# KiCad board tinytapeout-demo.kicad_pcb (continued)
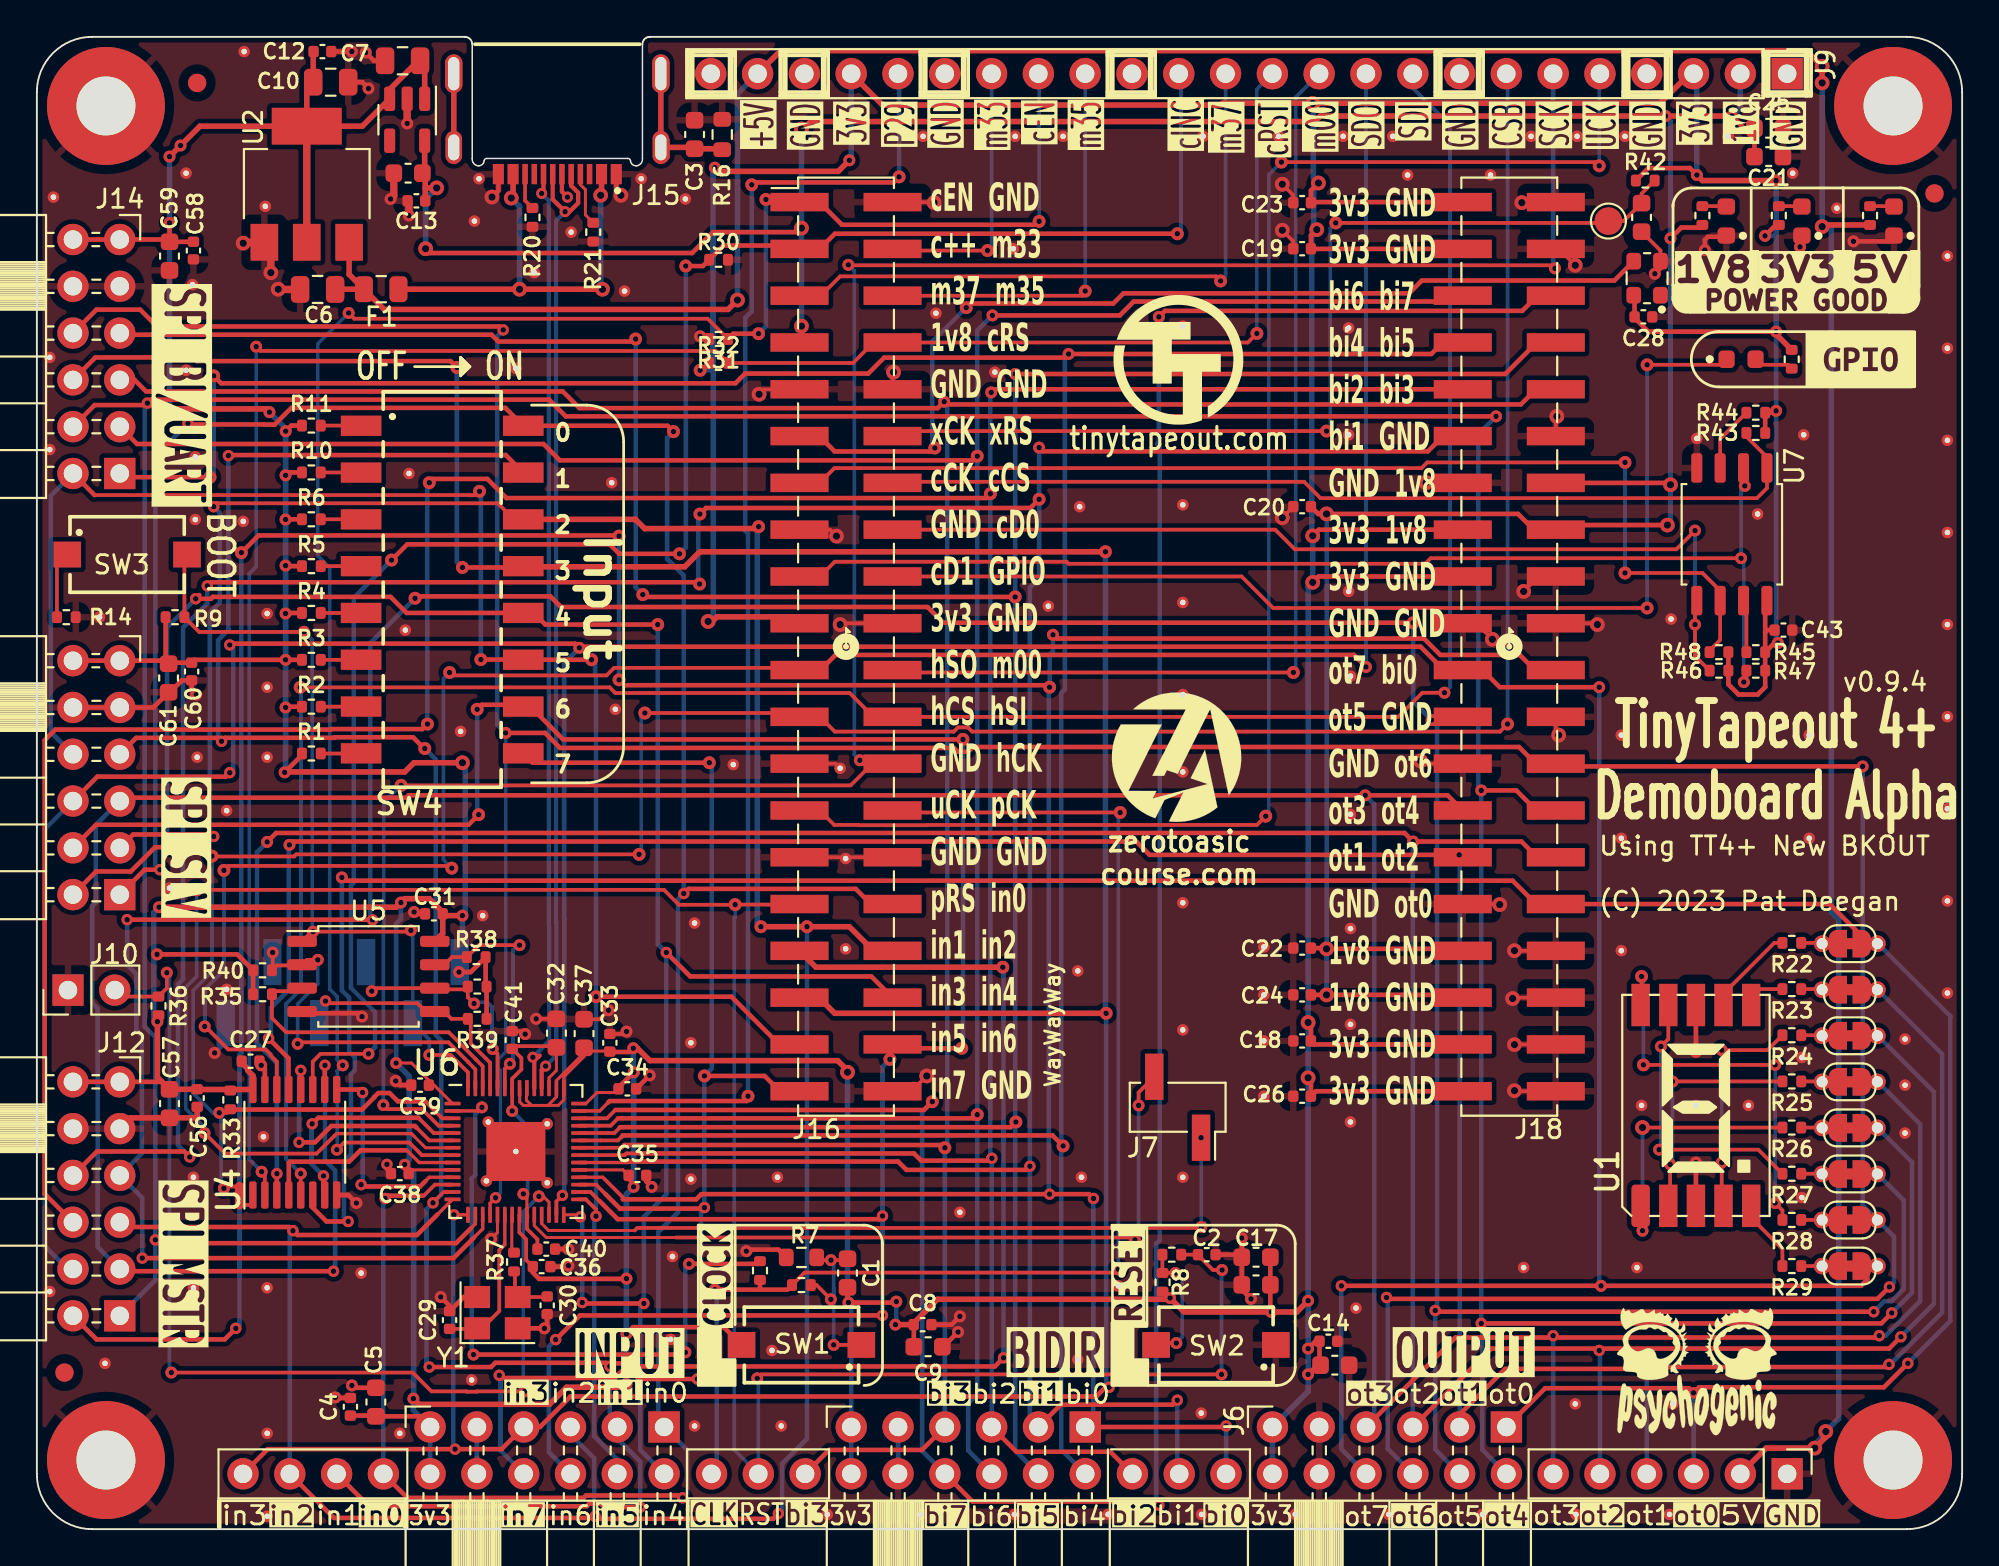
[diagram p0: board, top side]
## Library data of the parts
C1 C5 C9 C11 C15 C17 C25 C32 C37 C42 C57 C59 C61 = -: Characteristics: 1u 10V XR 0603; MPN: CL10A105KA8NNNC; MPN_ALT: C0603C105K4RAC7411; ki_fp_filters: C_*
C2 C4 C8 C12-C14 C18-C20 C22-C24 C26-C28 C31 C33-C36 C38-C41 C43 C56 C58 C60 = -: Characteristics: 100n 10% 25V XR 0402; MPN: CL05A104KA5NNNC; MPN_ALT: GRM155R71E104KE14J; ki_fp_filters: C_*
C3 = -: DNP: DNP; ki_fp_filters: C_*
C6 C7 = -: Characteristics: 10u 10V XR 0805; JLC: C237493; MPN: CL21B106KOQNNNF; MPN_ALT: LMK212AB7106MG-T; ki_fp_filters: C_*
C10 = -: Characteristics: 22u 6V XR 0805; JLC: C86816; MPN: CL21A226KOQNNNG; MPN_ALT: GRM21BR61A226ME51K; ki_fp_filters: C_*
C16 C21 = -: Characteristics: 10u 10V XR 0603; DigikeyPN: 490-GRT188R61C106KE13JCT-ND; MPN: CL10A106MP8NNNC; MPN_ALT: GRT188R61C106KE13J; ki_fp_filters: C_*
C29 = -: Characteristics: 6pF 10% 50V XR 0402; MPN: CC0402BRNPO9BN6R0; MPN_ALT: 0402N6R0D500CT; ki_fp_filters: C_*
C30 = -: Characteristics: 6pF 10% 50V XR 0402; MPN: CC0402BRNPO9BN6R0; ki_fp_filters: C_*
D1-D4 = -: Characteristics: Yellow LED; JLC: C72038; MPN: LTST-C190YKT; MPN_ALT: TLMY1000-GS15; ki_fp_filters: LED* LED_SMD:* LED_THT:*
F1 = -: Characteristics: PTC Reset Fuse, 350mA Hold, 0805; JLC: C1884490; MPN: 0ZCK0035FF2G; MPN_ALT: SMD0805B035TF; ki_fp_filters: *polyfuse* *PTC*
FID1-FID3 = -: ki_fp_filters: Fiducial*
J1 J2 J8 J10 J17 = -: ki_fp_filters: Connector*:*_1x??_*
J3 J5 J6 J12-J14 = -: MPN_ALT: PPTC062LJBN-RC
J4 = -: DigikeyPN: 609-3124-ND x 2; MPN: 95157-440LF x 2
J7 = -: Datasheet: https://cdn.amphenol-cs.com/media/wysiwyg/files/drawing/10129380.pdf; MPN: 10129380-902001BLF; MPN_ALT: GEC02SABN-M30; ki_fp_filters: Connector*:*_1x??_*
J9 = -: MPN: PRPC024SAAN-RC; ki_fp_filters: Connector*:*_1x??_*
J11 = -: Datasheet: https://www.we-online.com/components/products/datasheet/61300611121.pdf; MPN: 61300611121; ki_fp_filters: Connector*:*_1x??_*
J15 = -: Description: USB-C (USB TYPE-C) USB 2.0 Receptacle Connector 24 (16+8 Dummy) Position Board Edge, Cutout; Surface Mount; Through Hole, Right Angle; MANUFACTURER: GCT; MAXIMUM_PACKAGE_HEIGHT: 2.46mm; MPN: USB4500-03-0-A
J16 J18 = -: MPN: 95157-440LF; MPN_ALT: M20-8762042; ki_fp_filters: Pin* Test*
JP1-JP8 = -: ki_fp_filters: SolderJumper*Bridged*
MT1-MT4 = -: MPN: DNP; ki_fp_filters: MountingHole*Pad*
NT1 = -: ki_fp_filters: Net*Tie*
R1-R6 R10 R11 R13 R14 R37 = -: Characteristics: 1k 0402; MPN: CR0402-FX-1001GLF; MPN_ALT: WR04X1001FTL; ki_fp_filters: R_*
R7 = -: Characteristics: 47k 0603; MPN: CR0603-FX-4642ELF; MPN_ALT: WR06X473 JTL; ki_fp_filters: R_*
R8 R9 R12 R30-R36 R38-R40 R42-R48 = -: Characteristics: 10k 0402; MPN: RC0402FR-0710KL; MPN_ALT: WR04X1002FTL; ki_fp_filters: R_*
R15 = -: Characteristics: 1.2k 0402; MPN: RC0402FR-071K2L; MPN_ALT: CR0402-JW-122GLF; ki_fp_filters: R_*
R16 = -: ki_fp_filters: R_*
R17 R19 = -: Characteristics: 510R 0402; MPN: RC0402FR-07510RL; MPN_ALT: CR0402-FX-5100GLF; ki_fp_filters: R_*
R18 = -: Characteristics: 0R 0402; MPN: RC0402FR-070RL; MPN_ALT: WR04X000 PTL; ki_fp_filters: R_*
R20 R21 = -: Characteristics: 5.1k 0402; MPN: AC0402FR-135K1L; MPN_ALT: CR0402-FX-5101GLF; ki_fp_filters: R_*
R22-R29 = -: Characteristics: 68R 0402; MPN: RC0402FR-0768RL; MPN_ALT: WR04X68R0FTL; ki_fp_filters: R_*
R41 = -: Characteristics: 47 0402; MPN: RMCF0402JT47R0; MPN_ALT: WR04X470 JTL; ki_fp_filters: R_*
SW1-SW3 = -: Datasheet: https://www.we-online.com/components/products/datasheet/434121025816.pdf; Characteristics: MOM SPST NO; MPN_ALT: TS09-63-25-R-260-SMT-TR
SW4 = -: Datasheet: https://www.we-online.com/katalog/datasheet/4181212708xx.pdf; Characteristics: 8 POS SPST DIP; MPN_ALT: 219-8MST; ki_fp_filters: SW?DIP?x8*
TP1 = -: ki_fp_filters: Pin* Test*
U1 = -: Datasheet: https://www.we-online.com/catalog/datasheet/157112V12700.pdf; Characteristics: 7 SEGMENT COMMON CATHODE; DigikeyPN: 732-157112V12700DKR-ND; MPN_ALT: GS3011CR-G; ki_fp_filters: KCSC02?106*
U2 = -: Datasheet: https://www.ti.com/lit/ds/symlink/tlv1117lv.pdf; Characteristics: VREG 3.3V SOT-223-4; MPN: TLV1117LV33DCYR; MPN_ALT: AZ1117CH-3.3TRG1; ki_fp_filters: SOT?223* SOT?89* TO?220* TO?252* TO?263*
U3 = -: Datasheet: https://www.diodes.com/assets/Datasheets/AP2112.pdf; Characteristics: VREG 1.7V SOT-25; DigikeyPN: AP2112K-1.8TRG1DICT-ND; MPN: AP2112K-1.8TRG1; ki_fp_filters: SOT?23?5*
U4 = -: Datasheet: http://www.ti.com/lit/ds/symlink/sn74cbtlv3257.pdf; MPN: 74CBTLV3257PW,118; ki_fp_filters: SSOP*3.9x4.9mm*P0.635mm* TSSOP*4.4x5mm*P0.65mm* TVSOP*4.4x3.6mm*P0.4mm* SOIC*3.9x9.9mm*P1.27mm*
U5 U7 = -: Datasheet: http://www.winbond.com/resource-files/w25q32jv%20revg%2003272018%20plus.pdf; DigikeyPN: W25Q32JVSSIQ-ND; MPN: W25Q32JVSSIQ; ki_fp_filters: SOIC*5.23x5.23mm*P1.27mm*
U6 = -: Datasheet: https://datasheets.raspberrypi.com/rp2040/rp2040-datasheet.pdf; DigikeyPN: 2648-SC0914(13)CT-ND; MPN: SC0914(13); ki_fp_filters: QFN*1EP*7x7mm?P0.4mm*
X1 = -: Datasheet: https://www.we-online.com/components/products/datasheet/830208220401.pdf; DigikeyPN: 1923-830208220401DKR-ND; MPN: 830208220401; Part number: 830208220401; ki_fp_filters: Oscillator*SMD*ECS*2520MV*2.5x2.0mm*
Y1 = -: Datasheet: https://www.we-online.com/components/products/datasheet/830108206909.pdf; Description: 12 MHz ±10ppm Crystal 8pF 120 Ohms 4-SMD, No Lead; DigikeyPN: 1923-830108206909DKR-ND; MPN: 830108206909; ki_fp_filters: Crystal*

## Footprints (pads in the part's own frame, mm; a bottom-side part is the same pattern mirrored in y, then rotated)
418121270808
  rect 1.1x2.2 smd: 1(-8.89,-4.4) 2(-6.35,-4.4) 3(-3.81,-4.4) 4(-1.27,-4.4) 5(1.27,-4.4) 6(3.81,-4.4) 7(6.35,-4.4) 8(8.89,-4.4) 9(8.89,4.4) 10(6.35,4.4) 11(3.81,4.4) 12(1.27,4.4) 13(-1.27,4.4) 14(-3.81,4.4) 15(-6.35,4.4) 16(-8.89,4.4)
434121025816
  rect 1.5x1.4 smd: 1(-3.25,0) 2(3.25,0)
C_0402_1005Metric
  rrect 0.56x0.62 smd: 1(-0.48,0) 2(0.48,0)
C_0603_1608Metric
  rrect 0.9x0.95 smd: 1(-0.775,0) 2(0.775,0)
C_0805_2012Metric
  rrect 1x1.45 smd: 1(-0.95,0) 2(0.95,0)
Crystal_SMD_3225-4Pin_3.2x2.5mm
  rect 1.4x1.2 smd: 1(-1.1,-0.85) 2(1.1,-0.85) 3(1.1,0.85) 4(-1.1,0.85)
Fiducial_1mm_Mask2mm
  round 1 smd: (0,0)
Fuse_0805_2012Metric
  rrect 0.975x1.4 smd: 1(-0.938,0) 2(0.938,0)
GCT_USB4500-03-0-A_REVA
  rect 0.6x1.1 smd: A1_B12(-3.2,5.45) A4_B9(-2.4,5.45) B1_A12(3.2,5.45) B4_A9(2.4,5.45)
  rect 0.3x1.1 smd: A5(-1.25,5.45) A6(-0.25,5.45) A7(0.25,5.45) A8(1.25,5.45) B5(1.75,5.45) B6(0.75,5.45) B7(-0.75,5.45) B8(-1.75,5.45)
  oval 0.95x2.1 hole 0.6x1.8: S1(-5.62,0) S4(5.62,0)
  oval 0.9x1.8 hole 0.6x1.4: S2(5.62,4) S3(-5.62,4)
LED_0603_1608Metric
  rrect 0.875x0.95 smd: 1(-0.787,0) 2(0.787,0)
MountingHole_3.2mm_M3_Pad
  round 6.4 hole 3.2: 1(0,0)
NetTie-2_SMD_Pad0.5mm
  round 0.5 smd: 1(-0.5,0) 2(0.5,0)
Oscillator_SMD_ECS_2520MV-xxx-xx-4Pin_2.5x2.0mm
  rrect 0.8x0.9 smd: 1(-0.725,0.925) 2(-0.725,-0.925) 3(0.725,-0.925) 4(0.725,0.925)
PinHeader_1x02_P2.54mm_Vertical
  rect 1.7x1.7 hole 1: 1(0,0)
  oval 1.7x1.7 hole 1: 2(0,-2.54)
PinHeader_1x02_P2.54mm_Vertical_SMD_Pin1Right
  rect 2.51x1 smd: 1(1.655,1.27) 2(-1.655,-1.27)
PinHeader_1x03_P2.54mm_Vertical
  round 1.7 hole 1: 1(0,0)
  oval 1.7x1.7 hole 1: 2(0,-2.54) 3(0,-5.08)
PinHeader_1x04_P2.54mm_Vertical
  round 1.7 hole 1: 1(0,0)
  oval 1.7x1.7 hole 1: 2(0,-2.54) 3(0,-5.08) 4(0,-7.62)
PinHeader_1x06_P2.54mm_Vertical
  rect 1.7x1.7 hole 1: 1(0,0)
  oval 1.7x1.7 hole 1: 2(0,-2.54) 3(0,-5.08) 4(0,-7.62) 5(0,-10.16) 6(0,-12.7)
PinHeader_1x06_P2.54mm_Vertical_SMD_Pin1Right
  rect 2.51x1 smd: 1(1.655,6.35) 2(-1.655,3.81) 3(1.655,1.27) 4(-1.655,-1.27) 5(1.655,-3.81) 6(-1.655,-6.35)
PinHeader_1x24_P2.54mm_Vertical
  rect 1.7x1.7 hole 1: 1(0,0)
  oval 1.7x1.7 hole 1: 2(0,-2.54) 3(0,-5.08) 4(0,-7.62) 5(0,-10.16) 6(0,-12.7) 7(0,-15.24) 8(0,-17.78) 9(0,-20.32) 10(0,-22.86) 11(0,-25.4) 12(0,-27.94) 13(0,-30.48) 14(0,-33.02) 15(0,-35.56) 16(0,-38.1) 17(0,-40.64) 18(0,-43.18) 19(0,-45.72) 20(0,-48.26) 21(0,-50.8) 22(0,-53.34) 23(0,-55.88) 24(0,-58.42)
PinSocket_2x06_P2.54mm_PMODHost1A
  rect 1.7x1.7 hole 1: 1(0,-12.7)
  oval 1.7x1.7 hole 1: 2(0,-10.16) 3(0,-7.62) 4(0,-5.08) 5(0,-2.54) 7(-2.54,-12.7) 8(-2.54,-10.16) 9(-2.54,-7.62) 10(-2.54,-5.08) 11(-2.54,-2.54) 12(-2.54,0)
  round 1.7 hole 1: 6(0,0)
QFN-56-1EP_7x7mm_P0.4mm_EP3.2x3.2mm
  rrect 1.29x1.29 smd: (-0.8,0.8) (-0.8,-0.8) (0.8,0.8) (0.8,-0.8)
  rrect 0.875x0.2 smd: 1(-3.438,2.6) 2(-3.438,2.2) 3(-3.438,1.8) 4(-3.438,1.4) 5(-3.438,1) 6(-3.438,0.6) 7(-3.438,0.2) 8(-3.438,-0.2) 9(-3.438,-0.6) 10(-3.438,-1) 11(-3.438,-1.4) 12(-3.438,-1.8) 13(-3.438,-2.2) 14(-3.438,-2.6) 29(3.438,-2.6) 30(3.438,-2.2) 31(3.438,-1.8) 32(3.438,-1.4) 33(3.438,-1) 34(3.438,-0.6) 35(3.438,-0.2) 36(3.438,0.2) 37(3.438,0.6) 38(3.438,1) 39(3.438,1.4) 40(3.438,1.8) 41(3.438,2.2) 42(3.438,2.6)
  rrect 0.2x0.875 smd: 15(-2.6,-3.438) 16(-2.2,-3.438) 17(-1.8,-3.438) 18(-1.4,-3.438) 19(-1,-3.438) 20(-0.6,-3.438) 21(-0.2,-3.438) 22(0.2,-3.438) 23(0.6,-3.438) 24(1,-3.438) 25(1.4,-3.438) 26(1.8,-3.438) 27(2.2,-3.438) 28(2.6,-3.438) 43(2.6,3.438) 44(2.2,3.438) 45(1.8,3.438) 46(1.4,3.438) 47(1,3.438) 48(0.6,3.438) 49(0.2,3.438) 50(-0.2,3.438) 51(-0.6,3.438) 52(-1,3.438) 53(-1.4,3.438) 54(-1.8,3.438) 55(-2.2,3.438) 56(-2.6,3.438)
  rect 3.2x3.2 smd: 57(0,0)
R_0402_1005Metric
  rrect 0.54x0.64 smd: 1(-0.51,0) 2(0.51,0)
R_0603_1608Metric
  rrect 0.8x0.95 smd: 1(-0.825,0) 2(0.825,0)
SOIC-8_5.23x5.23mm_P1.27mm
  rrect 1.6x0.6 smd: 1(-3.6,1.905) 2(-3.6,0.635) 3(-3.6,-0.635) 4(-3.6,-1.905) 5(3.6,-1.905) 6(3.6,-0.635) 7(3.6,0.635) 8(3.6,1.905)
SolderJumper-2_Bridged_Throughole1
  round 0.9 hole 0.6: 1(-1.5,0) 2(1.5,0)
  custom 1x1.5 smd: 1(-0.65,0) 2(0.65,0)
SOT-23-5
  rrect 1.325x0.6 smd: 1(-1.137,0.95) 2(-1.137,0) 3(-1.137,-0.95) 4(1.137,-0.95) 5(1.137,0.95)
SOT-223-3_TabPin2
  rect 2x1.5 smd: 1(-3.15,2.3) 2(-3.15,0) 3(-3.15,-2.3)
  rect 2x3.8 smd: 2(3.15,0)
StitchingVia-0.3mm
  round 0.62 hole 0.3: 1(0,0)
TestPoint_Pad_D1.5mm
  round 1.5 smd: 1(0,0)
TSSOP-16_4.4x5mm_P0.65mm
  rrect 1.475x0.4 smd: 1(-2.862,2.275) 2(-2.862,1.625) 3(-2.862,0.975) 4(-2.862,0.325) 5(-2.862,-0.325) 6(-2.862,-0.975) 7(-2.862,-1.625) 8(-2.862,-2.275) 9(2.862,-2.275) 10(2.862,-1.625) 11(2.862,-0.975) 12(2.862,-0.325) 13(2.862,0.325) 14(2.862,0.975) 15(2.862,1.625) 16(2.862,2.275)
TT04_BREAKOUT_SMB
  rect 3.15x1 smd: A1(-20.525,24.13) A2(-15.475,24.13) A3(-20.525,21.59) A4(-15.475,21.59) A5(-20.525,19.05) A6(-15.475,19.05) A7(-20.525,16.51) A8(-15.475,16.51) A9(-20.525,13.97) A10(-15.475,13.97) A11(-20.525,11.43) A12(-15.475,11.43) A13(-20.525,8.89) A14(-15.475,8.89) A15(-20.525,6.35) A16(-15.475,6.35) A17(-20.525,3.81) A18(-15.475,3.81) A19(-20.525,1.27) A20(-15.475,1.27) A21(-20.525,-1.27) A22(-15.475,-1.27) A23(-20.525,-3.81) A24(-15.475,-3.81) A25(-20.525,-6.35) A26(-15.475,-6.35) A27(-20.525,-8.89) A28(-15.475,-8.89) A29(-20.525,-11.43) A30(-15.475,-11.43) A31(-20.525,-13.97) A32(-15.475,-13.97) A33(-20.525,-16.51) A34(-15.475,-16.51) A35(-20.525,-19.05) A36(-15.475,-19.05) A37(-20.525,-21.59) A38(-15.475,-21.59) A39(-20.525,-24.13) A40(-15.475,-24.13) B1(15.475,24.13) B2(20.525,24.13) B3(15.475,21.59) B4(20.525,21.59) B5(15.475,19.05) B6(20.525,19.05) B7(15.475,16.51) B8(20.525,16.51) B9(15.475,13.97) B10(20.525,13.97) B11(15.475,11.43) B12(20.525,11.43) B13(15.475,8.89) B14(20.525,8.89) B15(15.475,6.35) B16(20.525,6.35) B17(15.475,3.81) B18(20.525,3.81) B19(15.475,1.27) B20(20.525,1.27) B21(15.475,-1.27) B22(20.525,-1.27) B23(15.475,-3.81) B24(20.525,-3.81) B25(15.475,-6.35) B26(20.525,-6.35) B27(15.475,-8.89) B28(20.525,-8.89) B29(15.475,-11.43) B30(20.525,-11.43) B31(15.475,-13.97) B32(20.525,-13.97) B33(15.475,-16.51) B34(20.525,-16.51) B35(15.475,-19.05) B36(20.525,-19.05) B37(15.475,-21.59) B38(20.525,-21.59) B39(15.475,-24.13) B40(20.525,-24.13)
TT_BREAKOUT_PINHEADER_PLACEHOLDER_WITHPAD
  rrect 0.2x0.2 smd: 1(0,0)
WL_S7DS-157112V12700
  rrect 2.3x1 smd: 1(-5.45,3)
  rect 2.3x1 smd: 2(-5.45,1.5) 3(-5.45,0) 4(-5.45,-1.5) 5(-5.45,-3) 6(5.45,-3) 7(5.45,-1.5) 8(5.45,0) 9(5.45,1.5) 10(5.45,3)

## Nets
+1V8: C11.1 C13.1 C20.2 C21.2 C22.2 C24.2 C25.2 J4.A7 J4.B14 J4.B16 J4.B33 J4.B35 J9.2 R18.1 U3.5
+3V3: C1.1 C4.1 C5.2 C7.1 C8.1 C9.2 C10.1 C12.1 C14.1 C15.2 C16.2 C17.2 C18.1 C19.2 C23.2 C26.2 C27.1 C28.2 C31.2 C33.1 C34.1 C35.1 C36.1 C37.1 C38.1 C39.1 C43.2 C56.1 C57.2 C58.1 C59.2 C60.1 C61.2 J3.6 J3.12 J4.A19 J4.B1 J4.B3 J4.B15 J4.B17 J4.B37 J4.B39 J5.6 J5.12 J6.6 J6.12 J9.3 J9.21 J11.1 J12.6 J12.12 J13.6 J13.12 J14.6 J14.12 R1.1 R2.1 R3.1 R4.1 R5.1 R6.1 R8.1 R9.1 R10.1 R11.1 R17.1 R19.1 R32.1 R33.1 R34.1 R35.1 R36.1 R38.1 R39.1 R40.1 R42.1 R43.1 R44.1 R45.1 R46.1 R47.1 R48.1 SW1.2 U2.2 U3.1 U3.3 U4.16 U5.8 U6.1 U6.10 U6.22 U6.33 U6.42 U6.43 U6.44 U6.48 U6.49 U7.8 X1.4
+5V: C6.1 F1.2 J1.2 J9.23 R15.1 U2.3
/RP2040/DVDD: C32.2 C40.1 C41.1 U6.23 U6.45 U6.50
GND: C2.2 C3.2 C4.2 C5.1 C6.2 C7.2 C8.2 C9.1 C10.2 C11.2 C12.2 C13.2 C14.2 C15.1 C16.1 C17.1 C18.2 C19.1 C20.1 C21.1 C22.1 C23.1 C24.1 C25.1 C26.1 C27.2 C28.1 C29.2 C30.2 C31.1 C32.1 C33.2 C34.2 C35.2 C36.2 C37.2 C38.2 C39.2 C40.2 C41.2 C42.1 C43.1 C56.2 C57.1 C58.2 C59.1 C60.2 C61.1 D1.1 D2.1 D3.1 J1.1 J3.5 J3.11 J4.A2 J4.A9 J4.A10 J4.A15 J4.A20 J4.A25 J4.A29 J4.A30 J4.A40 J4.B2 J4.B4 J4.B12 J4.B13 J4.B18 J4.B19 J4.B20 J4.B24 J4.B25 J4.B31 J4.B34 J4.B36 J4.B38 J4.B40 J5.5 J5.11 J6.5 J6.11 J9.1 J9.4 J9.8 J9.15 J9.19 J9.22 J9.24 J10.1 J11.6 J12.5 J12.11 J13.5 J13.11 J14.5 J14.11 J15.A1_B12 J15.B1_A12 MT1.1 MT2.1 MT3.1 MT4.1 R7.2 R14.2 R16.2 R20.2 R21.2 R30.2 R31.2 STITCH1.1 STITCH1#2.1 STITCH1#3.1 STITCH1#4.1 STITCH1#5.1 STITCH1#6.1 STITCH1#7.1 STITCH1#8.1 STITCH1#9.1 STITCH1#10.1 STITCH1#11.1 STITCH1#12.1 STITCH1#13.1 STITCH1#14.1 STITCH1#15.1 STITCH1#16.1 STITCH1#17.1 STITCH1#18.1 STITCH1#19.1 STITCH1#20.1 STITCH1#21.1 STITCH1#22.1 STITCH1#23.1 STITCH1#24.1 STITCH1#25.1 STITCH1#26.1 STITCH1#27.1 STITCH1#28.1 STITCH1#29.1 STITCH1#30.1 STITCH1#31.1 STITCH1#32.1 STITCH1#33.1 STITCH1#34.1 STITCH1#35.1 STITCH1#36.1 STITCH1#37.1 STITCH1#38.1 STITCH1#39.1 STITCH1#40.1 STITCH1#41.1 STITCH1#42.1 STITCH1#43.1 STITCH1#44.1 STITCH1#45.1 STITCH1#46.1 STITCH1#47.1 STITCH1#48.1 STITCH1#49.1 STITCH1#50.1 STITCH1#51.1 STITCH1#52.1 STITCH1#53.1 STITCH1#54.1 STITCH1#55.1 STITCH1#56.1 STITCH1#57.1 STITCH1#58.1 STITCH1#59.1 STITCH1#60.1 STITCH1#61.1 STITCH1#62.1 STITCH1#63.1 STITCH1#64.1 STITCH1#65.1 STITCH1#66.1 STITCH1#67.1 STITCH1#68.1 STITCH1#69.1 STITCH1#70.1 STITCH1#71.1 STITCH1#72.1 STITCH1#73.1 STITCH1#74.1 STITCH1#75.1 STITCH1#76.1 STITCH1#77.1 STITCH1#78.1 STITCH1#79.1 STITCH1#80.1 STITCH1#81.1 STITCH1#82.1 STITCH1#83.1 STITCH1#84.1 STITCH1#85.1 STITCH1#86.1 STITCH1#87.1 STITCH1#88.1 STITCH1#89.1 STITCH1#90.1 STITCH1#91.1 STITCH1#92.1 STITCH1#93.1 STITCH1#94.1 STITCH1#95.1 STITCH1#96.1 STITCH1#97.1 STITCH1#98.1 STITCH1#99.1 STITCH1#100.1 STITCH1#101.1 STITCH1#102.1 STITCH1#103.1 STITCH1#104.1 STITCH1#105.1 STITCH1#106.1 STITCH1#107.1 STITCH1#108.1 STITCH1#109.1 STITCH1#110.1 STITCH1#111.1 STITCH1#112.1 STITCH1#113.1 STITCH1#114.1 STITCH1#115.1 STITCH1#116.1 STITCH1#117.1 STITCH1#118.1 STITCH1#119.1 STITCH1#120.1 STITCH1#121.1 STITCH1#122.1 STITCH1#123.1 STITCH1#124.1 STITCH1#125.1 STITCH1#126.1 STITCH1#127.1 STITCH1#128.1 STITCH1#129.1 STITCH1#130.1 STITCH2.1 STITCH3.1 STITCH4.1 STITCH5.1 STITCH6.1 STITCH6#2.1 STITCH6#3.1 STITCH7.1 STITCH8.1 STITCH9.1 STITCH10.1 STITCH11.1 STITCH12.1 STITCH13.1 STITCH14.1 STITCH15.1 STITCH16.1 STITCH17.1 STITCH18.1 SW2.1 U1.3 U1.8 U2.1 U3.2 U4.8 U4.15 U5.4 U6.19 U6.57 U7.4 X1.2 Y1.2 Y1.4
VBUS: F1.1 J15.A4_B9 J15.B4_A9
/CC1: J15.A5 R21.1
/CC2: J15.B5 R20.1
/RP2040/QSPI_CLK: J11.3 R34.2 U5.6 U6.52
/RP2040/QSPI_SD0: J11.4 R39.2 U5.5 U6.53
/RP2040/QSPI_SD1: J11.5 R40.2 U5.2 U6.55
/RP2040/QSPI_SD2: R35.2 U5.3 U6.54
/RP2040/QSPI_SD3: R38.2 U5.7 U6.51
/RP2040/RUN: J10.2 R36.2 U6.26
/RP2040/SWCLK: J7.2 U6.24
/RP2040/SWDIO: J7.1 U6.25
/~{CRVRST}: C42.2 J4.A12 R42.2 TP1.1
boot_mode: J11.2 R9.2 SW3.2 U5.1 U6.56
Caravel_CSB: J4.A14 R43.2 U7.1
Caravel_D0: J4.A16 R46.2 U7.5
Caravel_D1: J4.A17 R47.2 U7.2
Caravel_SCK: J4.A13 R48.2 U7.6
cinc/out3: U4.9 U6.11
ctrl_ena: J4.A1 J9.17 R31.1 U6.8
ctrl_sel_inc: J4.A3 J9.14 R30.1 U4.11
gpio: D4.1 J4.A18
HK_CSB: J4.A23 J9.7 NT1.1 R33.2 U6.3
HK_SCK: J4.A26 J9.6 U6.4
HK_SDI: J4.A24 J9.9 U4.5
HK_SDO: J4.A21 J9.10 U4.14
in0: J2.1 J3.1 J4.A32 J13.1 SW4.16 U6.12
in1: J2.2 J3.2 J4.A33 J13.4 SW4.15 U6.13
in2: J2.3 J3.3 J4.A34 J12.3 J13.2 SW4.14 U6.14
in3: J2.4 J3.4 J4.A35 J14.9 SW4.13 U6.15
in4: J3.7 J4.A36 J13.7 SW4.12 U6.28
in5: J3.8 J4.A37 J13.10 J14.7 SW4.11 U6.29
in6: J3.9 J4.A38 J13.8 SW4.10 U6.30
in7: J3.10 J4.A39 SW4.9 U6.31
mio33: J4.A4 J9.18
mio35: J4.A6 J9.16
mio37: J4.A5 J9.13
mprj_io0: J4.A22 J9.11
MUX_SEL: NT1.2 U4.1
out0: J1.3 J4.B32 J6.1 JP1.1 U4.6
out1: J1.4 J4.B29 J6.2 JP2.1 U4.13
out2: J1.5 J4.B30 J6.3 JP3.1 U4.3
out3: J1.6 J4.B27 J6.4 J12.2 J13.3 JP4.1 U4.10
out4: J4.B28 J6.7 J12.1 J14.8 JP5.1 U6.16
out5: J4.B23 J6.8 J12.4 JP6.1 U6.17
out6: J4.B26 J6.9 J14.10 JP7.1 U6.18
out7: J4.B21 J6.10 J12.8 J13.9 JP8.1 U6.27
project_clk: J4.A28 J17.3 R12.1 R41.2
RP_proj_clk: R41.1 U6.2
RPIO29: J9.20 U6.41
SDI/out0: U4.7 U6.5
SDO/out1: U4.12 U6.6
uio0: J4.B22 J5.1 J8.1 J12.7 U6.32
uio1: J4.B11 J5.2 J8.2 J12.10 U6.34
uio2: J4.B9 J5.3 J8.3 J12.9 U6.35
uio3: J4.B10 J5.4 J14.3 J17.1 U6.36
uio4: J4.B7 J5.7 J14.1 U6.37
uio5: J4.B8 J5.8 J14.4 U6.38
uio6: J4.B5 J5.9 J14.2 U6.39
uio7: J4.B6 J5.10 U6.40
usb_d+: J15.A6 J15.B6 U6.47
usb_d-: J15.A7 J15.B7 U6.46
usrclk2: J4.A27 J9.5
xclk: J4.A11 X1.3
~{crst}/out2: U4.4 U6.9
~{ctrl_sel_rst}: J4.A8 J9.12 R32.2 U4.2
~{project_rst}: C2.1 J4.A31 J17.2 R13.2 U6.7
Net-(C1-Pad2): C1.2 R7.1 R12.2 SW1.1
Net-(C3-Pad1): C3.1 J15.S1 J15.S2 J15.S3 J15.S4 R16.1
Net-(C30-Pad1): C30.1 R37.1 Y1.3
Net-(D1-A): D1.2 R15.2
Net-(D2-A): D2.2 R17.2
Net-(D3-A): D3.2 R18.2
Net-(D4-A): D4.2 R19.2
Net-(JP1-B): JP1.2 R22.1
Net-(JP2-B): JP2.2 R23.1
Net-(JP3-B): JP3.2 R24.1
Net-(JP4-B): JP4.2 R25.1
Net-(JP5-B): JP5.2 R26.1
Net-(JP6-B): JP6.2 R27.1
Net-(JP7-B): JP7.2 R28.1
Net-(JP8-B): JP8.2 R29.1
Net-(R1-Pad2): R1.2 SW4.8
Net-(R2-Pad2): R2.2 SW4.7
Net-(R3-Pad2): R3.2 SW4.6
Net-(R4-Pad2): R4.2 SW4.5
Net-(R5-Pad2): R5.2 SW4.4
Net-(R6-Pad2): R6.2 SW4.3
Net-(R10-Pad2): R10.2 SW4.2
Net-(R11-Pad2): R11.2 SW4.1
Net-(R13-Pad1): R8.2 R13.1 SW2.2
Net-(R14-Pad1): R14.1 SW3.1
Net-(U1-A): R22.2 U1.7
Net-(U1-B): R23.2 U1.6
Net-(U1-C): R24.2 U1.4
Net-(U1-D): R25.2 U1.2
Net-(U1-DP): R29.2 U1.5
Net-(U1-E): R26.2 U1.1
Net-(U1-F): R27.2 U1.9
Net-(U1-G): R28.2 U1.10
Net-(U6-XIN): C29.1 U6.20 Y1.1
Net-(U6-XOUT): R37.2 U6.21
Net-(U7-IO2): R44.2 U7.3
Net-(U7-IO3): R45.2 U7.7

Pads without a net: J15 A8 B8; J16 1; J18 1; U3 4; X1 1

## Via types
v1: diameter 0.65, hole 0.3, Top to Bottom, 173 vias
v2: diameter 0.8, hole 0.4, Top to Bottom, 59 vias
v3: diameter 0.62, hole 0.3, Top to Bottom, 82 vias
v4: diameter 0.7, hole 0.3, Top to Bottom, 86 vias
v5: diameter 0.6, hole 0.3, Top to Bottom, 5 vias

## Routing (per net, layer and track width the routed paths; a pad name or vN(x,y) marks a point on that pad's centre or on a via; arc(x,y) is an arc through that point)
+1V8: length 190.7
  Top w0.25: C22.2 69.96,31.54 v2(70,31.5) 77.28,31.5 J4.B33 ; C24.2 v2(70,29) 77.25,29 J4.B35 ; v2(88.67,56.69) 88.57,56.79 J4.B14 ; 69.55,55.11 v2(70,55.11) ; 69.55,55.11 80.4,55.11 81.25,54.25 J4.B16 82.69,54.5 v2(88.5,54.5) ; 69.55,55.11 C20.2 ; v2(21.1,69.5) 21.34,69.27 35.56,69.27 36.7,70.4 41.33,70.4 41.5,70.57 ; R18.1 90.26,70.65 89.26,70.65 v1(88.67,70.06) ; v1(92,76.7) 92.66,76.04 C25.2 C21.2
  Top w0.3: J4.A7 41.5,64.52 v2(41.5,65.3) ; 21.08,69.52 v2(21.1,69.5) ; 21.08,72.8 21.08,73.44 20.92,73.6 21.05,73.72 U3.5 ; 21.08,72.8 C13.1 ; 21.08,72.8 v2(21.7,72.8) ; v2(41.5,76) 41.6,76 42,76.4 69.37,76.4 69.67,76.7 v1(92,76.7)
  Bottom w0.25: v2(70,55.1) 70,55.1 70,31.5 v2(70,31.5) v2(70,29) ; v2(88.5,54.5) 88.67,54.67 v2(88.67,56.69) v1(88.67,70.06) 88.67,76.43 v1(88.4,76.7)
  Bottom w0.3: 41.3,65.1 v2(41.5,65.3) 41.5,70.6 ; 41.5,70.6 v2(41.5,70.62) ; 41.5,70.6 v2(41.5,76) ; v2(21.1,69.5) 21.1,72.2 v2(21.7,72.8) ; J9.2 92.46,77.16 v1(92,76.7)
+3V3: length 641.2
  Top w0.16: C38.1 20.38,19.5 U6.10 ; C33.1 31.07,25.95 29.88,25.95 C37.1 ; C33.1 30.89,26.12 ; C33.1 31.12,25.9 ; 26.8,23.05 26.85,23 27.74,23 ; 26.8,23.05 26.75,23 26.4,23 26.21,23.19 26.21,23.94 ; 26.8,23.05 26.58,23.28 26.58,23.94 ; U6.42 29.8,23.1 30.4,23.7 31.37,23.7 C34.1 ; v1(32.37,26.11) 32.38,26.1 32.18,25.9 ; C37.1 29.7,25.85 28.2,24.35 U6.44 28.2,23.46 27.74,23 ; C37.1 29.7,25.65 28.6,24.55 U6.43 28.6,23.3 28.3,23 27.74,23 ; U6.1 21.56,24.1 C39.1 21.28,24.36 20.34,25.3 v1(19.5,25.3) ; U6.33 31.82,19.5 C35.1
  Top w0.18: C35.1 32.12,18.98 32.39,18.71 v1(32.39,18.58) ; C38.1 20.18,19.58 v3(19.96,19.79) ; 26.2,16.09 26.18,16.11 26.18,17.04 U6.22
  Top w0.2: C36.1 26.56,14.61 26.56,15.73 26.2,16.09
  Top w0.245: 32.18,25.9 31.12,25.9 ; v4(36,62.9) 36.09,62.9 R32.1
  Top w0.25: R48.1 R46.1 91.81,45.86 92.37,45.3 93.4,45.3 93.81,45.71 R47.1 R45.1 ; R39.1 R34.1 24.36,29.5 R38.1 23.55,30.24 v1(22.91,30.24) ; v1(13.5,54.8) 13.51,54.81 R6.1 ; v1(13.5,57.2) 13.66,57.36 R10.1 ; C61.2 7.2,47.03 C60.1 8.56,47.19 R3.1 ; C61.2 6.98,47.14 J13.12 ; C61.2 6.99,47.14 R9.1 ; v2(69,27.5) 69.16,27.34 C18.1 69.34,26.31 J4.B37 ; C4.1 18.36,6.16 C5.2 20.77,6.12 J3.6 ; v2(69.25,51.39) 69.57,51.71 J4.B17 ; v1(13.5,49.7) 13.53,49.73 R4.1 ; J4.B39 69.42,23.77 C26.2 69.16,24.34 v2(69,24.5) ; v1(94.5,48.1) 94.31,48.1 R45.1 ; v1(69,9.8) 69.4,10.2 C14.1 69.62,8.95 C15.2 69.5,8.9 v1(69,8.4) ; v1(13.5,52.3) 13.53,52.27 R5.1 ; C1.1 44,12.35 v1(44.05,12.3) 46.6,12.3 v1(46.65,12.35) ; R45.1 93.81,48.7 ; C58.1 8.5,69.88 C59.2 ; v1(67,11.79) 66.95,11.84 C16.2 C17.2 ; 93.81,48.7 93.81,50.31 U7.8 ; 93.81,48.7 93.91,48.8 C43.2 ; R1.1 14.39,42.02 v1(13.45,41.08) ; C34.1 31.57,23.97 v1(32.4,24.8) ; J12.12 J12.6 6.8,24.28 C57.2 ; v1(32,13.6) 31.98,13.58 27.27,13.58 26.92,13.93 C36.1 ; v2(69.56,73.07) 69.16,72.66 C23.2 69.19,72.03 J4.B1 ; R8.1 61.45,12.54 v1(61.51,12.54) ; C9.2 47.6,11.09 C8.1 ; R42.1 87.47,73.88 89.72,73.88 v1(90.1,73.5) ; v1(93.8,70.2) 94.39,70.79 R17.1 ; J14.12 J14.6 7.08,70 C59.2 ; v1(94.4,60.7) 94.3,60.6 R44.1 R43.1 ; v2(69.47,70.54) 69.16,70.22 C19.2 69.17,69.49 J4.B3 ; C59.2 v1(7.2,70.9) ; R11.1 13.81,59.9 v1(13.51,59.59) ; J4.B15 69.58,54.25 v2(69.25,53.92) ; v1(6.52,31.2) 10.88,31.2 R40.1 R35.1 ; X1.4 86.72,66.93 C28.2 86.72,65.75 87.47,65 v1(94.4,65) ; SW1.2 37.28,10.97 32.36,10.97 v1(32,10.6) ; v1(13.5,44.6) 13.54,44.64 R2.1
  Top w0.3: R36.1 6.54,27.83 v1(6.54,27.54) 6.54,24.53 C57.2 8.69,23.88 C56.1 8.72,23.86 U4.16 11.72,24.62 11.46,24.88 11.46,24.97 11.12,25.31 11.12,25.49 ; C31.2 22.03,32.33 U5.8 ; C31.2 22.13,33.3 v1(23.1,33.3) ; C31.2 22.03,33.49 21.3,34.22 19.97,34.22 v1(19.76,34.01) 19.51,33.76 v1(6.63,33.76) ; U2.2 17.66,76.15 U3.3 19.15,78.15 20.7,79.7 C7.1 21.05,79.45 U3.1 ; U2.2 8.85,76.15 v1(7.2,74.5) ; U2.2 14.65,75.8 ; U2.2 14.65,78.19 C10.1 15,80.18 C12.1 ; v1(13.45,41.08) 13.48,41.1 19.97,41.1 20.47,41.6 v2(23.1,41.6) ; v1(20.44,7.09) 20.75,6.78 27.83,6.78 28.75,7.7 31.82,7.7 v1(32,7.88) ; v1(94.4,73.2) 90.4,73.2 v1(90.1,73.5) ; v2(44,24.8) 44,24.9 43.47,25.43 33.27,25.43 32.6,26.1 32.38,26.1 ; v1(12.63,60.63) 12.45,60.8 7.66,60.8 v1(7.38,60.53) ; J4.A19 41.05,49.52 36.91,49.52 36.66,49.27 v2(36.43,49.27) ; v1(94.4,65) 94.4,64.86 R19.1 ; v1(36.8,73.9) 37,73.7 43.5,73.7 v1(44.1,74.3) ; v1(69,12.4) 68.39,11.79 v1(67,11.79) 62.26,11.79 v1(61.51,12.54) 61.44,12.48 48.88,12.48 47.59,11.19 C8.1 v1(46.6,11.1) ; J9.3 89.7,79 88.11,77.41 69.27,77.41 v2(69.25,77.39) 69.23,77.41 64.38,77.41 64.27,77.3 45.9,77.3 J9.21
  Top w0.4: U2.2 U2.2
  In1.Cu w0.25: v1(7.8,75.1) v1(7.2,74.5)
  In2.Cu w0.25: v1(7.8,75.1) v1(7.2,74.5)
  Bottom w0.245: 36.7,62.9 v4(36,62.9)
  Bottom w0.25: v1(93.8,70.2) 94.4,70.2 ; J3.12 J3.6 ; 69.3,70.71 v2(69.47,70.54) ; 69.3,72.81 v2(69.56,73.07) 69.28,73.34 ; v1(46.65,12.35) 46.65,11.15 v1(46.6,11.1) ; v1(94.4,65) v1(94.4,60.7) 94.4,48.2 v1(94.5,48.1) ; v1(19.5,25.3) 19.5,32.86 19.76,33.12 v1(19.76,34.01) ; v2(69.25,77.39) 69.28,77.35 ; v1(44.05,12.3) 44.2,12.14 J5.6 J5.12 ; v1(7.8,75.1) v1(7.2,74.5)
  Bottom w0.3: 69.28,77.35 69.28,73.34 ; v1(94.4,65) v1(94.4,73.2) ; v1(6.54,27.54) 6.35,27.74 6.35,33.48 v1(6.63,33.76) ; J3.6 20.44,6.45 v1(20.44,7.09) 20.45,7.1 20.45,19.31 v3(19.96,19.79) 20.2,20.03 20.2,24.59 v1(19.5,25.3) ; 69.3,72.81 69.3,70.71 ; J9.3 90.1,78.82 v1(90.1,73.5) ; v1(13.45,41.08) 13.5,41.13 v1(13.5,44.6) v1(13.5,49.7) v1(13.5,52.3) v1(13.5,54.8) v1(13.5,57.2) 13.5,59.76 v1(12.63,60.63) ; J9.21 44.2,74.4 v1(44.1,74.3) ; v2(69.47,70.54) 69.2,70.27 69.2,53.97 v2(69.25,53.92) v2(69.25,51.39) 69,51.14 v2(69,27.5) v2(69,24.5) v1(69,12.4) v1(69,9.8) v1(69,8.4) 69,7.48 J6.6 J6.12 ; v1(7.38,60.53) 7.2,60.71 v1(7.2,70.9) v1(7.2,74.5) ; v1(32,7.88) v1(32,10.6) v1(32,13.6) 32,18.19 v1(32.39,18.58) 32.39,24.79 v1(32.4,24.8) 32.37,24.83 v1(32.37,26.11) ; v1(44.05,12.3) 44,12.35 v2(44,24.8) ; v2(36.43,49.27) 36.72,49.55 36.72,62.88 36.7,62.9 36.7,73.8 v1(36.8,73.9) ; J11.1 23.1,30.92 v1(23.1,33.3) 23.25,33.45 23.25,41.45 v2(23.1,41.6) ; 46.7,11.2 v1(46.6,11.1)
  vias: v1(13.5,47.19)
+5V: length 182
  Top w0.3: R15.1 96.99,70.79 v2(96.9,70.7) ; v2(97.1,5.3) 97.1,5 v2(96.5,4.4) 93.86,4.4 J1.2 ; C6.1 16.2,67.3 F1.2 ; F1.2 18.85,66.2 37.52,66.2 v2(38.03,66.71) ; F1.2 16.95,68.11 U2.3 ; J9.23 40.37,80.25 96.05,80.25 v2(96.9,79.4) v2(96.9,78.5)
  Bottom w0.3: v2(96.5,4.4) 96.5,4.6 97.3,5.4 ; v2(97.1,5.3) 97.8,6 97.8,33.1 97.4,33.5 97.4,70.7 ; J9.23 38.03,77.91 v2(38.03,66.71) ; v2(96.9,79.4) v2(96.9,70.7)
/RP2040/DVDD: length 16.9
  Top w0.16: C32.2 28.2,24.9 27.8,24.5 U6.45 ; U6.23 26.6,18 v1(26.41,18.2)
  Top w0.2: v1(25.8,22.7) U6.50 25.8,24.45 26.3,24.95 26.3,25.57 C41.1 25.95,26.22 28.13,26.22 C32.2 ; 26.62,17.06 26.62,16.89 26.6,16.87 26.6,16.3 27.17,15.73 C40.1
  Bottom w0.2: v1(25.8,22.7) 26.64,21.86 26.64,18.43 v1(26.41,18.2)
GND: length 142.4
  Top w0.16: U6.19 25,16.1 v1(24.65,15.75)
  Top w0.18: C38.2 19,19.52 v3(19,19.8)
  Top w0.2: v2(43.6,49.1) 43.67,49.17 46.44,49.17 ; J4.B34 80.21,31.39 v2(80.2,31.4) ; v2(75.1,41.7) 75.25,41.55 J4.B25 ; J4.A9 39.47,61.87 v2(39.2,61.6) ; J4.B38 80.21,26.31 v2(80.2,26.3) ; STITCH1#79.1 43.35,41.55 J4.A25 ; v2(43.4,53.9) 43.05,54.25 J4.A15 ; v2(67.6,54.9) 68.19,55.5 C20.1 ; v2(75.4,56.8) 75.41,56.79 J4.B13 ; v2(82.5,60.4) 82.44,60.34 J4.B12 ; C33.2 31.88,26.88 v1(32,27.01) ; 46.44,36.47 43.97,36.47 STITCH1#10.1 43.83,36.47 J4.A29 ; v2(46.5,62.8) 46.44,62.75 46.44,61.87 ; X1.2 88.12,69.4 C42.1 ; v2(48.7,72) 48.67,72.03 46.44,72.03 ; 46.44,23.77 47.47,23.77 v2(48.3,24.6) ; v2(82.6,43.1) 82.44,43.25 J4.B24 ; v2(67.6,73) 68.19,72.41 C23.1 ; J4.B2 80.63,72.03 v2(80.6,72) ; v2(83.5,68.6) 82.61,69.49 J4.B4 ; C32.1 v1(27.1,27.7) ; 79.92,47.9 79.52,48.3 v2(79,48.3) 78.13,49.17 J4.B19 ; v2(67.6,70.5) 68.19,69.91 C19.1 ; v1(26.51,26.87) 26.35,27.03 C41.2 ; J4.B36 80.15,28.85 v2(80.1,28.8) ; v1(31.03,28.17) 30.54,27.67 C37.2 ; v2(80.2,23.8) 80.23,23.77 J4.B40 ; J4.B31 79.37,33.93 v2(79.4,33.9) ; J4.B20 84.63,49.17 v2(84.7,49.1) ; v2(80.7,50.9) 81.51,51.71 J4.B18
  Top w0.25: 31.45,73.65 31.45,72.65 v2(31.7,72.4) ; v1(19.48,24.33) 19.7,24.1 C39.2 ; Y1.2 v1(27.55,10.9) 27.7,11.05 C30.2 ; v1(98.6,69.9) 100.49,69.9 D1.1 ; D3.1 91.64,70.15 90.7,70.15 90.53,69.98 v1(90.53,69.42) ; v1(17.35,17.7) 16.91,18.14 U4.8 ; Y1.4 23.17,12.6 C29.2 22.4,12.12 v1(21.92,12.6) ; U4.15 12.38,24.98 v1(12.18,25.18) ; v1(16.2,7.15) 16.22,7.12 C4.2 ; C36.2 28.8,14.25 v1(28.85,14.3) ; v1(65.9,12.5) 65.4,13 C16.1 C17.1 ; STITCH1#13.1 STITCH1#75.1 ; STITCH1#13.1 24.5,22 STITCH1#87.1 ; STITCH1#13.1 STITCH1.1 ; STITCH1#13.1 26.2,20.5 STITCH1#128.1 ; C12.2 v1(17.1,80.2) ; v1(95.7,69.6) 95.7,70.11 D2.1 ; C7.2 18.3,79.7 v1(17.85,80.15) ; C34.2 33.26,24.63 v1(33.26,24.63) ; R31.2 36.14,64.6 v1(36,64.75) ; C8.2 49.65,11.1 v1(50.1,11.55) ; v1(8.65,45.3) 8.4,45.55 C60.2 7.87,46.07 7.23,45.42 C61.1 6.33,44.6 J13.5 J13.11 ; v1(87.82,68.14) 88.12,68.44 X1.2 ; C31.1 20.57,33.4 v1(20.48,33.5) ; C17.1 65.26,14.9 C2.2 ; C17.1 v1(65.4,15.8) ; v1(17.65,27.82) 17.47,28 14.5,28 U5.4 ; v1(33.37,18.58) 33.08,18.87 C35.2 ; 90.05,18 v1(90.05,19.9) ; v1(17.1,7.8) 17.22,7.67 C5.1 ; v1(28.85,15.19) 28.84,15.2 C40.2 ; v1(50,10.7) 49.2,9.9 C9.1 ; 25.05,73.65 25.05,72.65 v2(24.7,72.3) ; v1(38.51,15.09) 38.59,15.17 40.25,15.17 R7.2 ; 90.05,28 v1(90.05,25.9) ; C10.2 17.66,78.54 v1(18,78.2)
  Top w0.3: C56.2 8.7,22.4 8.62,22.33 C57.1 5.09,22.33 J12.5
  Top w0.4: v1(19.2,72.2) 19.38,72.38 C11.2 ; v2(11.2,69.8) 11.25,69.85 U2.1 12.7,69.5 v2(12.7,68.2) ; C13.2 20.19,72.03 v1(20.19,71.3) ; v2(13.1,67.3) 13.11,67.29 C6.2 ; U3.2 v1(20.1,76.3)
  Bottom w0.25: J5.11 J5.5 ; J3.11 J3.5 ; J11.6 10.25,26.45 v1(9.65,25.85)
VBUS: length 24.1
  Top w0.3: v2(30.7,67.3) v2(26.2,67.3) 19.63,67.3 F1.1 ; v2(30.6,72.4) 30.65,72.45 30.65,73.65 ; v2(25.75,72.25) 25.85,72.35 25.85,73.65
  Bottom w0.3: v2(26.2,67.3) 26.2,71.8 v2(25.75,72.25) ; v2(30.6,72.4) 30.6,67.4 v2(30.7,67.3)
/CC1: length 3
  Top w0.16: 29.5,73.65 29.5,72.98 29.78,72.7 29.78,71.34 R21.1
/CC2: length 2.1
  Top w0.2: 26.5,73.65 26.5,72.11 R20.1
/RP2040/QSPI_CLK: length 13.9
  Top w0.2: v1(23.73,28.53) 23.39,28.87 R34.2 23.24,29.3 21.67,29.3 U5.6 18.34,29.36 v1(18.17,29.2) ; U6.52 25,25.8 v1(24.74,26.06)
  Bottom w0.2: J11.3 18.17,30.47 v1(18.17,29.2) ; v1(23.73,28.53) 23.8,28.6 24.45,28.6 24.7,28.35 24.7,26.1 v1(24.74,26.06) 24.75,26.08 24.75,26.14
/RP2040/QSPI_SD0: length 12.4
  Top w0.2: v3(15.66,28.67) 15.78,28.55 20.65,28.55 21.11,28.09 U5.5 22.11,28.09 22.5,27.7 R39.2 23.55,27.54 23.55,26.37 24.6,25.32 U6.53
/RP2040/QSPI_SD1: length 20.6
  Top w0.2: v1(12.8,31.3) 12.8,30.38 R40.2 13.03,30.6 14.36,30.6 U5.2 14.67,30.9 v1(15.25,30.9) ; U6.55 23.8,24.96 23.41,25.35 23.41,25.35 22.34,26.42 14.24,26.42 v1(14.16,26.34)
  Bottom w0.2: v1(14.16,26.34) 14.16,28.51 15.25,29.6 v1(15.25,30.9) ; v1(12.8,31.3) 12.79,31.29 J11.5
/RP2040/QSPI_SD2: length 16.8
  Top w0.2: U5.3 14.23,29.2 12.92,29.2 R35.2 12.76,27.74 13.53,26.97 22.36,26.97 23.81,25.52 23.81,25.51 24.2,25.13 U6.54
/RP2040/QSPI_SD3: length 13.2
  Top w0.2: U5.7 22.12,30.64 22.53,31.05 R38.2 23.99,31.7 v1(26.2,31.7) ; U6.51 25.4,24.99 v1(25.67,25.26)
  Bottom w0.2: v1(26.2,31.7) 26.1,31.7 25.84,31.44 25.84,25.43 v1(25.67,25.26)
/RP2040/RUN: length 57.8
  Top w0.16: v1(27.25,18.06) 27.49,18.06 27.8,17.75 U6.26
  Top w0.2: v1(26.47,7.48) 23.89,7.48 23.87,7.46 23.33,7.46 23.31,7.48 21.42,7.48 20.4,8.5 v1(7.3,8.5) ; J10.2 4.58,28.91 R36.2 7.05,29.36 v1(7.05,30.2)
  Bottom w0.2: v1(7.05,30.2) 7.2,30.06 7.2,8.6 v1(7.3,8.5) ; v1(27.25,18.06) 26.4,17.22 26.4,7.55 v1(26.47,7.48)
/RP2040/SWCLK: length 42.8
  Top w0.16: U6.24 27,16.48 27.65,15.83 34.68,15.83
  Top w0.2: v1(59.6,15.7) 59.47,15.83 34.68,15.83 ; J7.2 59.8,23.7 v1(59.8,23)
  Bottom w0.2: v1(59.8,23) 59.8,15.9 v1(59.6,15.7)
/RP2040/SWDIO: length 41.6
  Top w0.16: U6.25 27.4,16.59 27.78,16.21 32.45,16.21
  Top w0.2: v1(63.2,16.4) 63.15,16.35 32.59,16.35 32.45,16.21
  Bottom w0.2: 63.4,16.6 v1(63.2,16.4) 63.2,21.23 v1(63.19,21.25)
/~{CRVRST}: length 53.7
  Top w0.2: v4(70.5,70.9) 85.2,70.9 TP1.1 86.12,71 C42.2 87.1,72.49 R42.2 ; v4(70,59.6) 46.72,59.6 46.44,59.33
  Bottom w0.2: v4(70.5,70.9) 70.2,70.6 70.2,59.8 v4(70,59.6)
boot_mode: length 43.4
  Top w0.2: SW3.2 8.01,52.76 R9.2 8.81,48.7 14.49,48.7 v1(14.5,48.71) ; U5.1 14.93,32.43 v1(14.99,32.43) 20.23,32.43 v1(20.3,32.5) ; U6.56 23.4,24.79 22.46,25.74 v1(21.3,25.74)
  Bottom w0.2: v1(21.3,25.74) 21.3,26.58 J11.2 20.41,32.39 v1(20.3,32.5) ; v1(14.99,32.43) 14.94,32.48 14.94,48.27 v1(14.5,48.71)
Caravel_CSB: length 51.5
  Top w0.2: 46.44,56.79 46.5,56.85 68.78,56.85 69.67,55.96 93.36,55.96 93.91,56.5 U7.1 93.91,58.19 92.79,59.31 R43.2
Caravel_D0: length 53.9
  Top w0.2: U7.5 90,50.31 v1(90,49.1) 90,47.39 R46.2 ; 46.44,54.25 67.22,54.25 68.28,53.19 88.99,53.19 v1(90,54.2) 89.85,54.35
  Bottom w0.2: v1(90,54.2) v1(90,49.1)
Caravel_D1: length 64.2
  Top w0.2: U7.2 92.7,57.53 v1(92.7,56.62) ; J4.A17 42.51,51.71 43.31,52.51 55.89,52.51 56,52.4 75.35,52.4 75.65,52.7 v1(92.5,52.7) 92.41,52.61 ; R47.2 92.79,46.12 v1(92.65,45.98)
  Bottom w0.2: v1(92.65,45.98) 92.65,52.55 v1(92.5,52.7) 92.5,56.42 v1(92.7,56.62)
Caravel_SCK: length 60.4
  Top w0.2: v4(86.2,51.9) 90.4,51.9 91.37,50.94 U7.6 91.37,48.27 90.79,47.69 R48.2 ; v4(86.2,57.9) 75.47,57.9 75.16,57.59 43.29,57.59 42.49,56.79 J4.A13
  Bottom w0.2: v4(86.2,57.9) v4(86.2,51.9)
cinc/out3: length 11.7
  Top w0.18: 21.1,18.9 21.3,19.1 U6.11
  Top w0.245: v3(17.68,23.7) 17.52,23.86 U4.9 ; v3(17.6,18.7) 17.7,18.6 20.8,18.6 21.1,18.9
  Bottom w0.245: v3(17.68,23.7) 17.68,18.78 v3(17.6,18.7)
ctrl_ena: length 107.4
  Top w0.2: R31.1 36.41,65.7 17.23,65.7 v1(16.92,66.01) ; v1(16.29,20.59) 16.68,20.98 20.22,20.98 20.9,20.3 U6.8
  Top w0.245: v4(39.17,64.89) 37.8,64.89 R31.1 ; v4(54.4,70.98) 54.22,70.8 43.7,70.8 42.47,72.03 J4.A1 39.72,72.03 v4(39.57,72.17)
  Bottom w0.2: v1(16.29,20.59) 16.3,20.61 16.3,24.87 v1(16.6,25.17) 16.3,25.48 16.3,28.9 15.9,29.3 15.9,52.18 15.25,52.83 15.25,64.34 v1(16.92,66.01) ; J9.17 54.4,78.96 v4(54.4,70.98)
  Bottom w0.245: v4(39.17,64.89) 39.57,65.29 v4(39.57,72.17)
